# Altium PCB pcd.PcbDoc
Units mm, origin at the board's own origin, x right, y up, seen from the top; angles counter-clockwise.
Board outline 85 x 56 mm, 2 copper layers (Top Layer, Bottom Layer); 48 components, 50 nets, 288 pads, 210 vias.
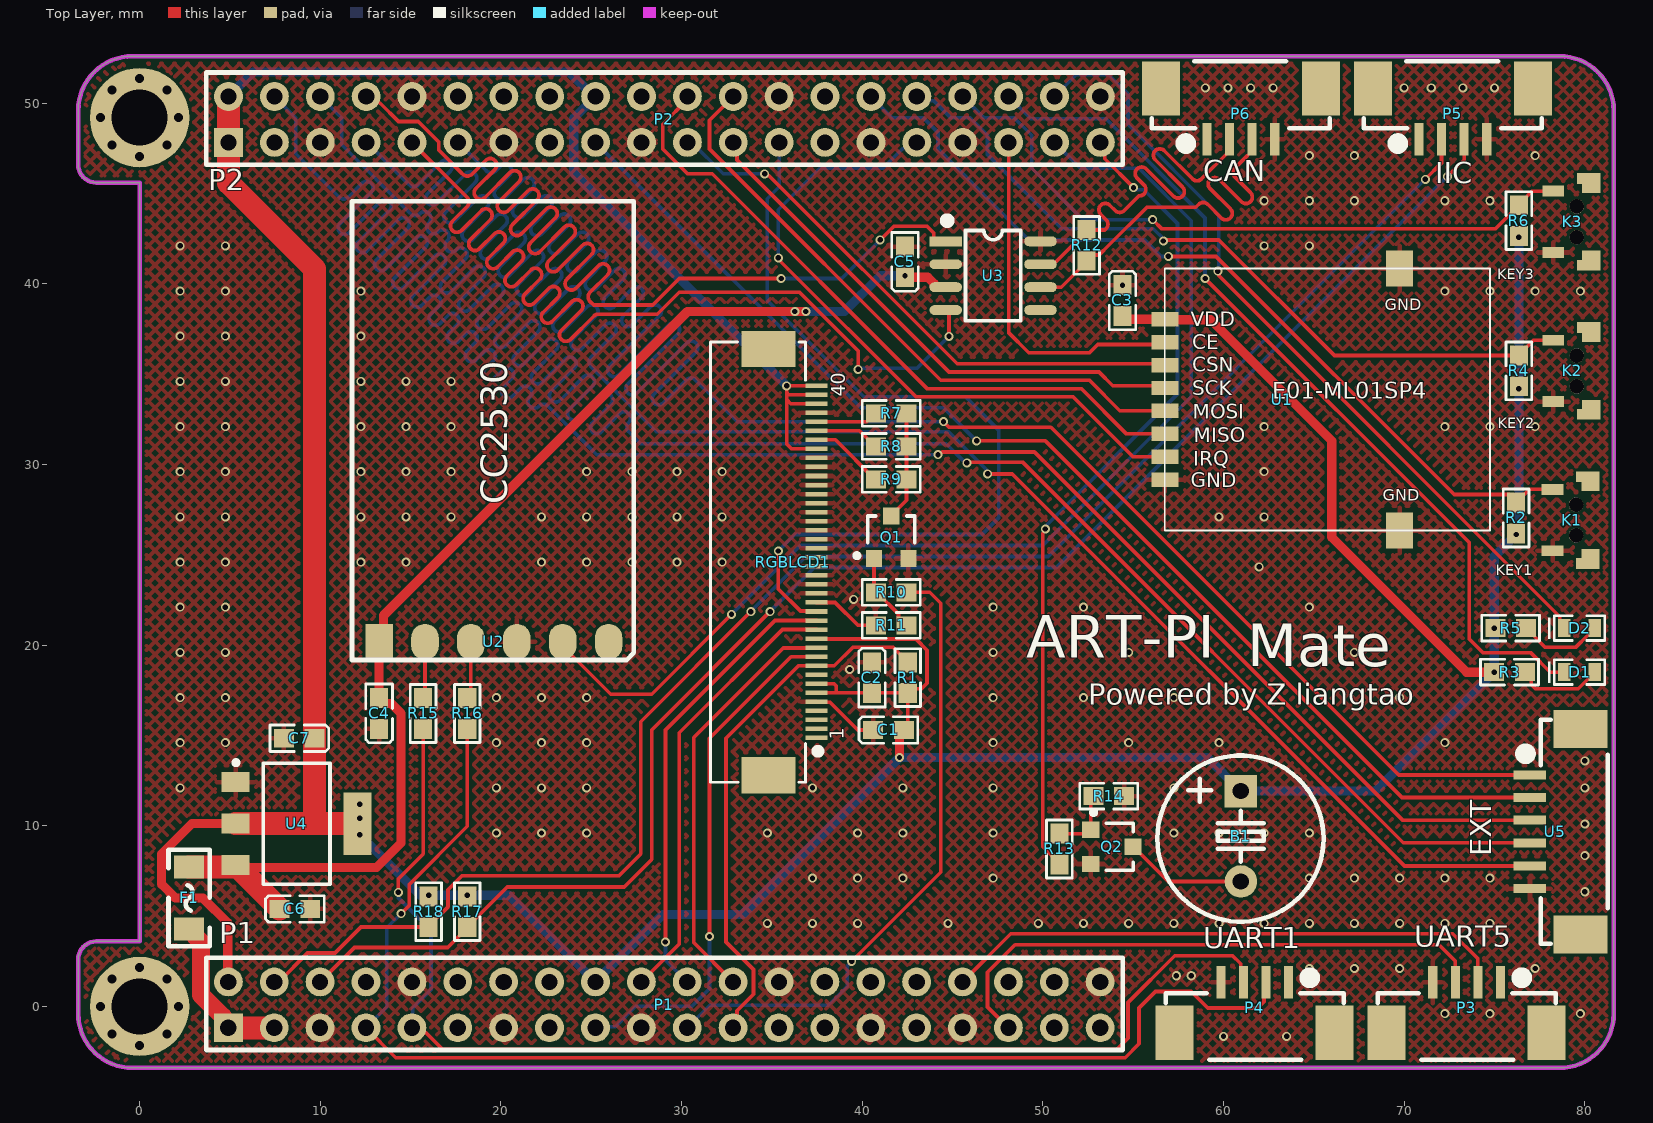
[diagram p0: Top Layer view]
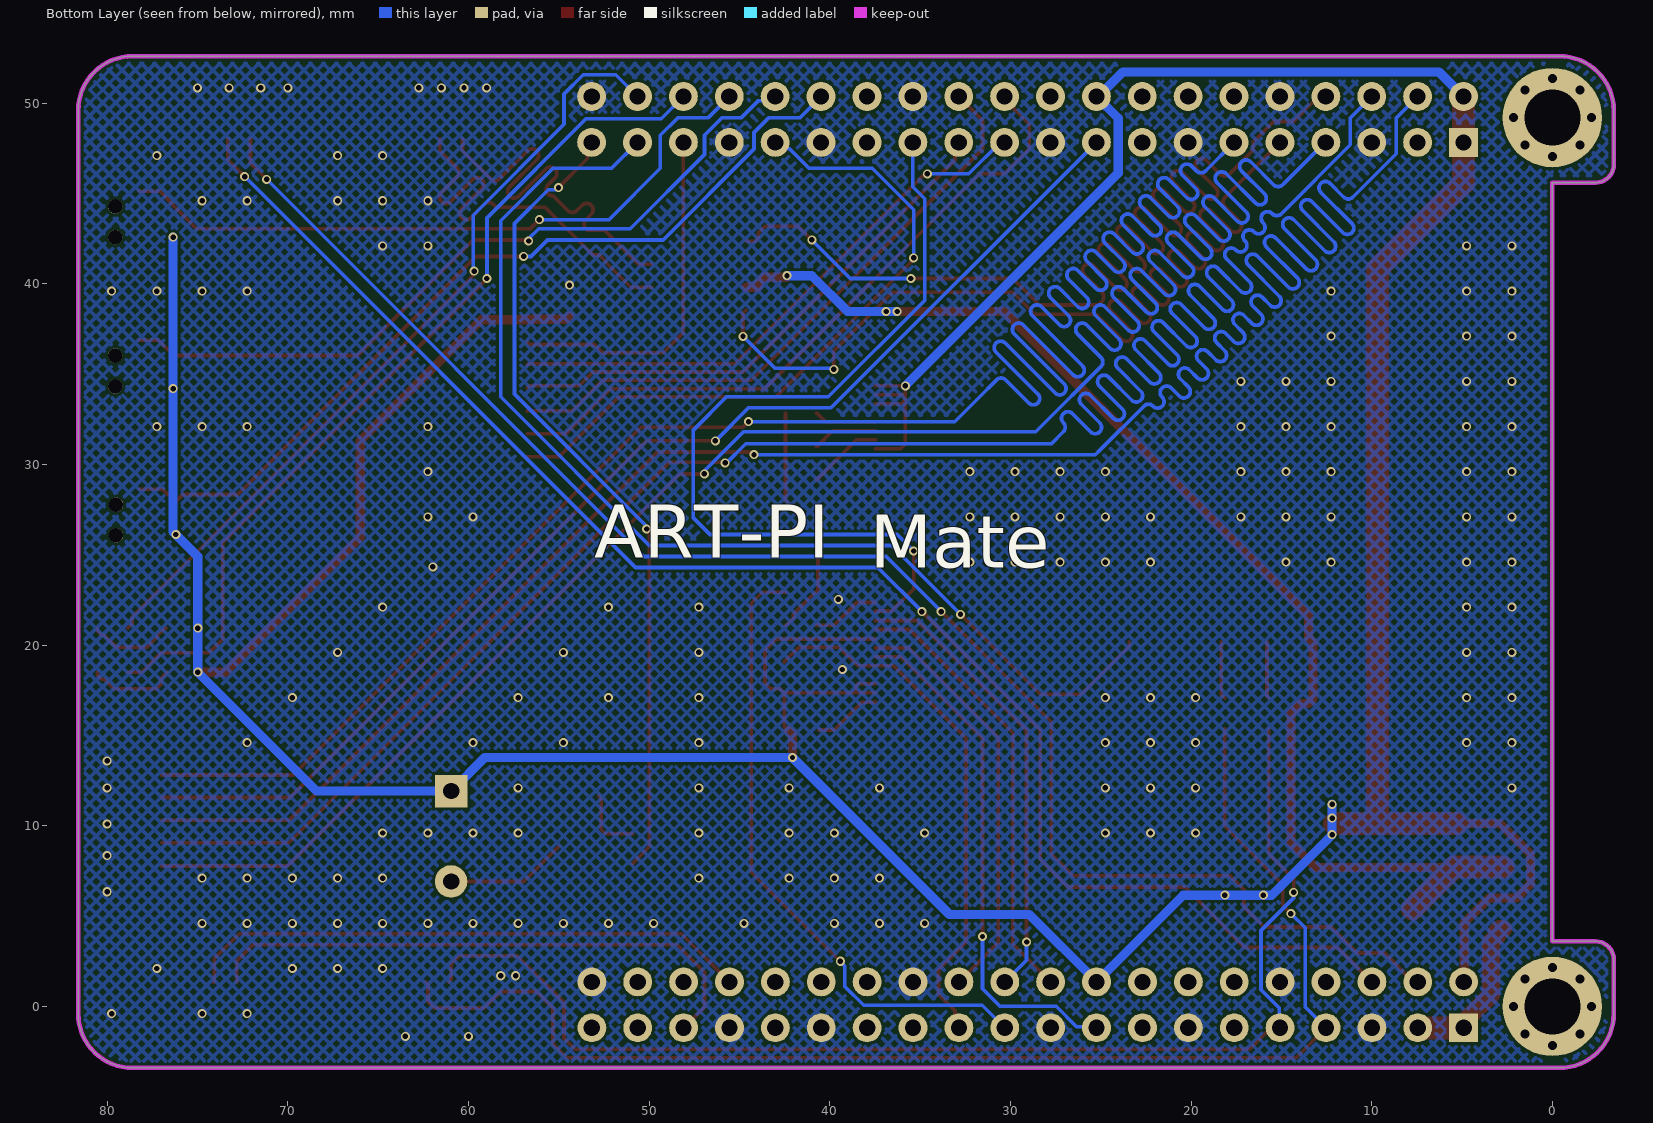
[diagram p1: Bottom Layer view, seen from below]
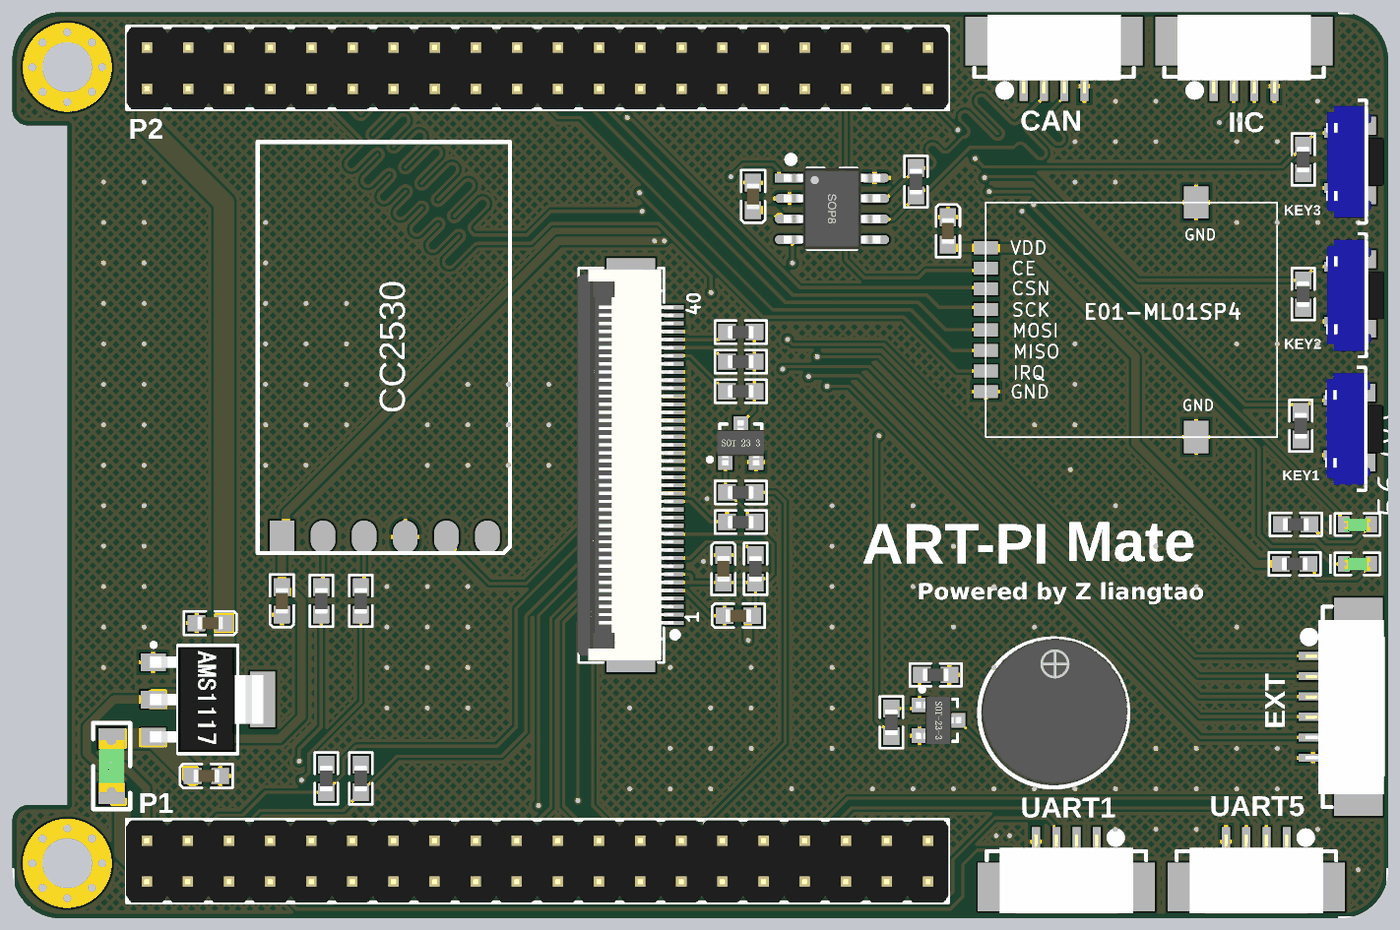
[diagram p2: 3D render of the assembled board from above, using the file's embedded part models]

## Layer stack, top to bottom
Top Solder: solder mask 0.0102, Solder Resist, Dk 3.5
Top Layer: signal copper 0.0356
Dielectric 1: dielectric 0.32, FR-4, Dk 4.8
Bottom Layer: signal copper 0.0356
Bottom Solder: solder mask 0.0102, Solder Resist, Dk 3.5

## Board outline
-3.4,-0.4 -3.4,2.6 cw(c-2.4,2.6) -2.4,3.6 0,3.6 0,45.6 -2.4,45.6 cw(c-2.4,46.6) -3.4,46.6 -3.4,49.6 cw(c-0.4,49.6) -0.4,52.6 78.6,52.6 cw(c78.6,49.6) 81.6,49.6 81.6,-0.4 cw(c78.6,-0.4) 78.6,-3.4 -0.4,-3.4 cw(c-0.4,-0.4)

## Design rules (kind name [scope] priority, off if disabled: settings)
Clearance [All] p1: gap=0.152 ignorepadtopadclearanceinfootprint=TRUE
PlaneConnect [All] p1: planeconnectstyle=Direct reliefexpansion=0.508 reliefentries=4 reliefconductorwidth=0.254 reliefairgap=0.254
PolygonConnect [All] p1: thpad.connectstyle=Direct thpad.reliefconductorwidth=0.254 thpad.reliefentries=4 thpad.polygonreliefangle="90 Angle" thpad.airgapwidth=0.254 smdpad.connectstyle=Relief smdpad.reliefconductorwidth=0.254 smdpad.reliefentries=4 smdpad.polygonreliefangle="90 Angle" smdpad.airgapwidth=0.254 via.connectstyle=Direct via.reliefconductorwidth=0.254 via.reliefentries=4 via.polygonreliefangle="90 Angle" via.airgapwidth=0.254
RoutingVias [All] p1: holewidth=0.5 width=0.5 viastyle="Through Hole" minholewidth=0.3 minwidth=0.3 maxholewidth=4 maxwidth=5
SolderMaskExpansion [All] p1: expansion=0.102 istentingtop=FALSE
Width [All] p1: maxlimit=5.08 minlimit=0.152 preferedwidth=0.203
29 further rules are at their usual default settings.

## Components (designator, comment, footprint, x,y, rotation, side; value= is the part's Value field where it differs from the comment)
B1 "BEEP" "BEEP 5x9x5.5" 60.958,11.922 r270 top
C1 "CAP" Cap-0603 41.451,15.304 r0 top
C2 "CAP" Cap-0603 40.536,18.199 r270 top
C3 "104" Cap-0603 54.405,39.078 r270 top
C4 "104" Cap-0603 13.257,16.218 r90 top
C5 "102" Cap-0603 42.365,41.212 r90 top
C6 "104" Cap-0603 8.597,5.398 r0 top
C7 "104" Cap-0603 8.837,14.846 r180 top
D1 "LED_SMD_BLUE" LED_0603_B 79.703,18.504 r180 top
D2 "LED_SMD_BLUE" LED_0603_B 79.703,20.942 r180 top
F1 "2A" "FU 1206" 2.741,6.007 r90 top
K1 "KEY" SW-SMD-2X4 79.51,27.774 r270 top
K2 "KEY" SW-SMD-2X4 79.551,36.03 r270 top
K3 "KEY" SW-SMD-2X4 79.551,44.283 r270 top
P1 "Header_2X20" "Header 2.54_2X20" 29.04,0.09 r0 top locked
P2 "Header_2X20" "Header 2.54_2X20" 29.05,49.1 r0 top locked
P3 "UART" SMT1.25_4P-90 73.455,-1.46 r180 top
P4 "UART" SMT1.25_4P-90 61.72,-1.46 r180 top
P5 "I2C" SMT1.25_4P-90 72.693,50.813 r0 top
P6 "UART" SMT1.25_4P-90 60.958,50.813 r0 top
Q1 "NPN" SOT23-3 41.603,25.972 r0 top
Q2 "NPN" SOT23-3 53.82,8.836 r270 top
R1 "10K" Res-0603 42.517,18.199 r90 top
R2 "RES" Res-0603 76.198,27.038 r90 top
R3 "RES" Res-0603 75.829,18.504 r0 top
R4 "RES" Res-0603 76.35,35.18 r90 top
R5 "RES" Res-0603 75.893,20.942 r0 top
R6 "RES" Res-0603 76.35,43.498 r90 top
R7 "10R" Res-0603 41.603,32.83 r180 top
R8 "10R" Res-0603 41.603,31.001 r180 top
R9 "10R" Res-0603 41.603,29.172 r180 top
R10 "1K" Res-0603 41.603,22.924 r180 top
R11 "10K" Res-0603 41.603,21.095 r0 top
R12 "120R" Res-0603 52.423,42.126 r90 top
R13 "1K" Res-0603 50.91,8.716 r270 top
R14 "10K" Res-0603 53.643,11.646 r180 top
R15 "0R" Res-0603 15.695,16.218 r270 top
R16 "0R" Res-0603 18.133,16.218 r270 top
R17 "4.7K" Res-0603 18.133,5.245 r90 top
R18 "4.7K" Res-0603 16,5.245 r90 top
RGBLCD1 "RGBLCD" FPC0.5-TOP40P 36.143,24.6 r90 top locked
U1 "NRF24L01" PE01-ML01SP4 63.244,33.592 r0 top
U2 "DL40P_CC2530" DL43P_CC2530 13.257,20.18 r0 top
U3 "TJA1050" SOP8_N 47.242,40.45 r0 top
U4 "AMS1117" AMS1117 8.685,10.122 r270 top
U5 "1.25-D-6PWB" SMT1.25_6P-90 81.438,16.488 r270 top
? "Comment" 铜柱-M3 0,0 r0 top
? "Comment" 铜柱-M3 0,49.2 r0 top

## Footprints (in the part's own frame and the unit in brackets; to place one, negate y for a bottom-side part, rotate by r counter-clockwise, add the part's x,y. Pads: shape width x height; smd on the part's side, far side on the other; paste and mask are expansions set on the pad)
AMS1117 [mm]
  rect 1.1x1.55 smd: 1(-2.3,-3.375) 2(0,-3.375) 3(2.3,-3.375)
  rect 3.45x1.55 smd: 4(0,3.375)
  silkscreen extent -3.5,-3.48 3.35,1.85, body extent -3.25,-3.58 3.25,3.42, height 1.85
"BEEP 5x9x5.5" [mm]
  rect 1.8x1.8 hole 0.9: 1(0,0)
  round 1.8 hole 0.9: 2(5,0)
  silkscreen extent -1.97,-4.62 7.22,4.58, body extent -1.96,-4.44 7.04,4.55, height 5.45
Cap-0603 [mm]
  rect 1.1x1 smd: 1(-0.85,0) 2(0.85,0)
  silkscreen extent -1.63,-0.74 1.63,0.74, body extent -0.8,-0.4 0.8,0.4, height 0.6
DL43P_CC2530 [mm] "深联创新"
  rect 1.524x2 smd: 1(0,0)
  oval 1.524x2 smd: 2(2.54,0) 3(5.08,0) 4(7.62,0) 5(10.16,0) 6(12.7,0)
  silkscreen extent -1.5,-1 14.1,24.4
FPC0.5-TOP40P [mm]
  rect 0.25x1.2 smd: 1(-9.737,-1.326) 2(-9.237,-1.326) 3(-8.737,-1.326) 4(-8.237,-1.326) 5(-7.737,-1.326) 6(-7.237,-1.326) 7(-6.737,-1.326) 8(-6.237,-1.326) 9(-5.737,-1.326) 10(-5.237,-1.326) 11(-4.737,-1.326) 12(-4.237,-1.326) 13(-3.737,-1.326) 14(-3.237,-1.326) 15(-2.737,-1.326) 16(-2.237,-1.326) 17(-1.737,-1.326) 18(-1.237,-1.326) 19(-0.737,-1.326) 20(-0.237,-1.326) 21(0.263,-1.326) 22(0.763,-1.326) 23(1.263,-1.326) 24(1.763,-1.326) 25(2.263,-1.326) 26(2.763,-1.326) 27(3.263,-1.326) 28(3.763,-1.326) 29(4.263,-1.326) 30(4.763,-1.326) 31(5.263,-1.326) 32(5.763,-1.326) 33(6.263,-1.326) 34(6.763,-1.326) 35(7.263,-1.326) 36(7.763,-1.326) 37(8.263,-1.326) 38(8.763,-1.326) 39(9.263,-1.326) 40(9.763,-1.326)
  rect 2x3 smd: A(-11.8,1.326) B(11.8,1.326)
  silkscreen extent -12.19,-1.58 12.19,4.54, body extent -12.08,-1.35 12.12,4.65, height 2
"FU 1206" [mil]
  rect 50x65 smd: 1(-67.5,0) 2(67.5,0)
  silkscreen extent -105,-45 105,45, body extent -63,-32 63,32, height 34
"Header 2.54_2X20" [mm]
  rect 1.6x1.6 hole 0.9: 1(-24.13,-1.27)
  round 1.6 hole 0.9: 2(-21.59,-1.27) 3(-19.05,-1.27) 4(-16.51,-1.27) 5(-13.97,-1.27) 6(-11.43,-1.27) 7(-8.89,-1.27) 8(-6.35,-1.27) 9(-3.81,-1.27) 10(-1.27,-1.27) 11(1.27,-1.27) 12(3.81,-1.27) 13(6.35,-1.27) 14(8.89,-1.27) 15(11.43,-1.27) 16(13.97,-1.27) 17(16.51,-1.27) 18(19.05,-1.27) 19(21.59,-1.27) 20(24.13,-1.27) 21(24.13,1.27) 22(21.59,1.27) 23(19.05,1.27) 24(16.51,1.27) 25(13.97,1.27) 26(11.43,1.27) 27(8.89,1.27) 28(6.35,1.27) 29(3.81,1.27) 30(1.27,1.27) 31(-1.27,1.27) 32(-3.81,1.27) 33(-6.35,1.27) 34(-8.89,1.27) 35(-11.43,1.27) 36(-13.97,1.27) 37(-16.51,1.27) 38(-19.05,1.27) 39(-21.59,1.27) 40(-24.13,1.27)
  silkscreen extent -25.36,-2.5 25.37,2.6, body extent -25.4,-2.5 25.4,2.58, height 8.6
LED_0603_B [mm]
  rect 0.7x1 smd: 1(-0.85,0) 2(0.85,0)
  silkscreen extent -1.4,-0.69 1.75,0.69, body extent -0.8,-0.38 0.8,0.42, height 0.61
PE01-ML01SP4 [mm] "18mm*14.5mm*2.4mm-S"
  rect 1.5x0.8 smd: 1(-6.497,4.453) 2(-6.497,3.183) 3(-6.497,1.913) 4(-6.497,0.643) 5(-6.497,-0.627) 6(-6.497,-1.897) 7(-6.497,-3.167) 8(-6.497,-4.437)
  rect 1.5x2 smd: 9(6.497,-7.25) 10(6.497,7.25)
  silkscreen extent -6.5,-7.25 11.5,7.25
Res-0603 [mm]
  rect 1.1x1 smd: 1(-0.85,0) 2(0.85,0)
  silkscreen extent -1.6,-0.71 1.6,0.71, body extent -0.8,-0.4 0.8,0.4, height 0.38
SMT1.25_4P-90 [mm]
  rect 2.1x3 smd: 0(-4.425,0) 0(4.425,0)
  rect 0.5x1.8 smd: 1(-1.875,-2.8) 2(-0.625,-2.8) 3(0.625,-2.8) 4(1.875,-2.8)
  silkscreen extent -4.92,-3.3 4.92,1.5, body extent -4.12,-3.22 4.13,1.63, height 4.25
SMT1.25_6P-90 [mm]
  rect 2.1x3 smd: 0(1.123,-1.678) 0(12.513,-1.678)
  rect 0.5x1.8 smd: 1(3.673,-4.478) 2(4.923,-4.478) 3(6.173,-4.478) 4(7.433,-4.478) 5(8.713,-4.478) 6(9.963,-4.478)
  silkscreen extent 0.62,-4.98 13.01,-0.18, body extent 1.46,-4.95 12.21,-0.1, height 4.25
SOP8_N [mm]
  rect 1.8x0.55 smd: 1(-2.625,1.905)
  oval 1.8x0.55 smd: 2(-2.625,0.635) 3(-2.625,-0.635) 4(-2.625,-1.905) 5(2.625,-1.905) 6(2.625,-0.635) 7(2.625,0.635) 8(2.625,1.905)
  silkscreen extent -2.69,-2.5 1.52,3.2, body extent -3,-2.5 3,2.5, height 1.9
SOT23-3 [mm]
  rect 0.9x0.95 smd: 1(-0.95,-1.175) 2(0.95,-1.175) 3(0,1.175)
  silkscreen extent -2.03,-1.14 1.3,1.18, body extent -1.45,-1.4 1.45,1.4, height 1.2
SW-SMD-2X4 [mm]
  rect 0.6x1.3 smd: 0(-1.55,0.65) 0(3.25,0.65)
  rect 0.6x1 smd: 0(-1.05,0.8) 0(2.75,0.8)
  round 0.8 hole 0.8: 0(0,0) 0(1.7,0)
  rect 0.6x1.2 smd: 1(-0.85,-1.3) 3(2.55,-1.3)
  body extent -2.97,-1.8 4.83,1.8, height 3.5
铜柱-M3 [mm] "TZ-M3"
  round 5.5 hole 3.1: 0(0,0)
  round 0.8 hole 0.5: 1(0,2.159) 2(0,-2.159) 3(2.159,0) 4(-2.159,0) 5(-1.524,-1.524) 6(1.524,-1.524) 7(1.524,1.524) 8(-1.524,1.524)
  body extent -2.67,-2.67 2.67,2.67, height 4.5

## Part data
B1: "蜂鸣器"
C1 C2: "贴片陶瓷电容"
C3 C4 C5 C6 C7: library part CAP, "贴片陶瓷电容"
D1 D2: "发光二极管", Package=0603, SuppliersPartNumber=C72041, ComponentLink1Description=供应商链接, ComponentLink1URL=http://www.szlcsc.com/product/details_73150.html, Supplier=LC
F1: library part FU, "贴片保险丝", BOM名称=贴片保险丝, 学习资源=www.ooocke.com, 版权归属=源创客
P3 P4 P5 P6: library part "UART port", LatestRevisionDate=17-Jul-2002, LatestRevisionNote="Re-released for DXP Platform.", Publisher="Altium Limited"
Q1 Q2: library part NPN1, "贴片三极管", PackageDocument=Sep-1998, Code_JEDEC=TO-92A, ComponentLink1Description="Manufacturer Link", ComponentLink1URL=http://www.fairchildsemi.com/, ComponentLink2Description=Datasheet, ComponentLink2URL=http://www.fairchildsemi.com/ds/2N%2F2N3904.pdf, DatasheetDocument=1997, LatestRevisionDate=15-Jan-2003, LatestRevisionNote="PCB Footprint 'BCY-W3/D4.7' replaced", PackageReference=TO-92A, Published=8-Jun-2000, Publisher="Altium Limited"
R1 R7 R8 R9 R10 R11 R12 R13 R14 R15 R16 R17 R18: library part RES, "贴片电阻"
R2 R3 R4 R5 R6: "贴片电阻"
RGBLCD1: library part FPC-40, "FPC-40P-0.5mm"
U3: library part SN65HVD230D
U5: BOM_Manufacturer=JUSHUO, BOM_Manufacturer Part=1.25-D-6PWB, BOM_Supplier=LCSC, BOM_Supplier Part=C35040, Contributor=LCSC, spicePre=U, spiceSymbolName=1.25-D-6PWB

## Via types
v1: diameter 0.5, hole 0.3, Top Layer to Bottom Layer, tented both sides, 195 vias
v2: diameter 0.5, hole 0.3, Top Layer to Bottom Layer, 15 vias

## Nets (pads, with @x,y where several pads share a name; then routed paths per layer and width w, separated by ;. In a path a pad name is that pad's centre, name@x,y a point inside that pad or via, vN(x,y) a via of type N, cw(c..) or ccw(c..) an arc to the next point about the centre after c; other vN are vias at no path point)
3V3: B1.1 C1.2 C2.2 C3.2 C7.1 P1.32 P1.40 P2.1 P2.32 P2.40 R1.1 R2.1 R3.1 R4.1 R5.1 R6.1 R17.2 R18.2 RGBLCD1.6 RGBLCD1.7 RGBLCD1.12 RGBLCD1.33 RGBLCD1.38 RGBLCD1.39 RGBLCD1.40 U1.1 U4.2 U4.4 | length 269
  Top Layer w0.203: RGBLCD1.6 38.555,17.363 ; RGBLCD1.7 38.436,17.863 38.555,17.744 38.555,17.363 ; RGBLCD1.12 37.493,20.339 42.968,20.339 43.584,19.723 43.584,17.894 43.279,17.59 42.758,17.59 R1.1 42.517,15.52 C1.2 ; RGBLCD1.33 36.102,30.863 35.812,31.153 35.812,33.592 ; RGBLCD1.38 36.041,33.363 35.812,33.592 ; RGBLCD1.39 35.931,33.863 35.812,33.982 ; RGBLCD1.40 37.465,34.358 35.816,34.358 v1(35.812,34.354) 35.812,33.982 ; R1.1@42.504,17.363 38.555,17.363 ; 35.812,33.592 35.812,33.982
  Top Layer w0.508: P1.40 4.875,1.395 4.875,4.636 3.503,6.007 1.979,6.007 1.217,6.769 1.217,8.446 2.893,10.122 U4.2 ; v1(42.06,13.78) 42.06,15.063 C1.2 ; C3.2 54.588,38.045 U1.1 56.78,38.011 59.281,38.011 65.988,31.305 65.988,25.971 73.455,18.504 v1(74.979,18.504)
  Top Layer w1.27: P2.40 P2.1 4.92,45.586 9.687,40.819 C7.1 9.687,10.186 9.751,10.122 ; U4.2 9.751,10.122 ; U4.4 9.751,10.122
  Bottom Layer w0.508: P2.40 6.277,51.727 23.772,51.727 25.129,50.37 P2.32 24.034,49.164 24.034,46.132 v1(35.812,34.354) ; v1(12.19,11.189) v1(12.19,9.512) 15.543,6.16 v1(18.133,6.16) 20.43,6.16 P1.32 28.963,5.093 33.373,5.093 v1(42.06,13.78) 59.1,13.78 B1.1 68.396,11.922 v1(74.979,18.504) v1(74.979,20.942) 74.979,24.905 v1(76.198,26.124) 76.35,26.276 v1(76.35,34.201) v1(76.35,42.583)
  other v1: 16,6.16 12.19,10.427
5V: C4.2 C5.1 C6.1 F1.2 U2.1 U3.3 U4.3 | length 69.2
  Top Layer w0.508: U4.3 5.41,7.722 5.905,7.226 ; U4.3@5.912,7.684 13.104,7.684 14.476,9.055 14.476,16.218 13.922,16.772 13.503,16.772 13.257,17.018 C4.2 U2.1 13.502,20.426 13.502,21.645 30.325,38.468 v1(36.269,38.468) v1@36.814,38.468 ; C5.1 43.627,40.362 43.984,40.005 43.984,39.834 44.003,39.815 U3.3
  Top Layer w1.27: F1.2 5.41,7.722 5.423,7.722 C6.1
  Bottom Layer w0.508: v1(36.269,38.468) v1(36.879,38.468) 39.012,38.468 40.993,40.45 v1(42.365,40.45)
5V_VIN: F1.1 P1.1 P1.2 | length 9.2
  Top Layer w1: F1.1 2.932,4.293 3.066,4.158 3.066,3.908 3.402,3.572 3.402,0.638 4.61,-0.57 4.61,-0.88 P1.1
  Top Layer w1.27: P1.1 P1.2
  Bottom Layer w1.27: P1.2@7.3,-1.19 7.31,-1.18 P1.2
BEEP: P2.20 R13.2 | length 45.5
  Top Layer w0.203: v1(50.137,26.429) 50.137,26.348 49.985,26.196 49.985,8.841 50.91,7.916 R13.2 ; P2.20 53.423,47.587 53.423,46.917 v1(55.014,45.326)
  Bottom Layer w0.203: v1(50.137,26.429) 50.137,26.581 57.453,33.896 57.453,43.345 55.584,45.213 55.207,45.213 55.095,45.326 v1(55.014,45.326)
CAN_RX: P2.5 U3.4 | length 62.7
  Top Layer w0.203: P2.5 17.554,45.356 18.128,44.782 cw(c17.877,44.53) 18.128,44.279 17.308,43.458 ccw(c17.56,43.207) 17.308,42.955 ccw(c17.56,43.207) 17.811,42.955 18.905,44.049 cw(c19.156,43.798) 19.407,44.049 cw(c19.156,43.798) 19.407,43.546 18.314,42.452 ccw(c18.565,42.201) 18.314,41.95 ccw(c18.565,42.201) 18.817,41.95 19.637,42.77 cw(c19.889,42.519) 20.14,42.77 cw(c19.889,42.519) 20.14,42.267 19.32,41.447 ccw(c19.571,41.195) 19.32,40.944 ccw(c19.571,41.195) 19.823,40.944 20.643,41.764 cw(c20.894,41.513) 21.146,41.764 cw(c20.894,41.513) 21.146,41.261 20.325,40.441 ccw(c20.577,40.189) 20.325,39.938 ccw(c20.577,40.189) 20.828,39.938 21.649,40.758 cw(c21.9,40.507) 22.152,40.758 cw(c21.9,40.507) 22.152,40.255 21.331,39.435 ccw(c21.583,39.184) 21.331,38.932 ccw(c21.583,39.184) 21.834,38.932 22.654,39.753 cw(c22.906,39.501) 23.157,39.753 cw(c22.906,39.501) 23.157,39.25 22.337,38.429 ccw(c22.588,38.178) 22.337,37.926 ccw(c22.588,38.178) 22.84,37.926 23.934,39.02 cw(c24.185,38.769) 24.436,39.02 cw(c24.185,38.769) 24.436,38.517 23.343,37.424 ccw(c23.594,37.172) 23.343,36.921 ccw(c23.594,37.172) 23.846,36.921 25.137,38.212 cw(c25.388,37.96) 25.388,38.316 27.887,38.316 28.649,38.316 29.868,39.535 36.525,39.535 39.774,36.286 v1(39.774,35.268) ; U3.4 44.643,38.545 44.803,38.384 v1(44.803,37.097)
  Bottom Layer w0.203: v1(39.774,35.268) 39.831,35.325 43.031,35.325 v1(44.803,37.097)
CAN_TX: P2.37 U3.1 | length 69.4
  Top Layer w0.203: P2.37 12.918,50.37 13.297,49.991 13.317,49.991 14.323,48.984 15.417,48.984 16.566,47.835 16.566,47.393 17.82,46.139 17.892,46.068 ccw(c18.143,46.319) 18.395,46.068 19.162,46.835 cw(c19.413,46.583) 19.665,46.835 cw(c19.413,46.583) 19.665,46.332 18.624,45.291 ccw(c18.876,45.04) 18.624,44.789 ccw(c18.876,45.04) 19.127,44.788 20.497,46.159 cw(c20.749,45.907) 21,46.159 cw(c20.749,45.907) 21,45.656 19.903,44.559 ccw(c20.155,44.307) 19.903,44.056 ccw(c20.155,44.307) 20.406,44.056 21.503,45.153 cw(c21.755,44.901) 22.006,45.153 cw(c21.755,44.901) 22.006,44.65 20.636,43.28 ccw(c20.887,43.028) 20.636,42.777 ccw(c20.887,43.028) 21.139,42.777 22.509,44.147 cw(c22.76,43.896) 23.012,44.147 cw(c22.76,43.896) 23.012,43.644 21.642,42.274 ccw(c21.893,42.023) 21.642,41.771 ccw(c21.893,42.023) 22.145,41.771 23.515,43.141 cw(c23.766,42.89) 24.018,43.141 cw(c23.766,42.89) 24.018,42.638 22.648,41.268 ccw(c22.899,41.017) 22.648,40.765 ccw(c22.899,41.017) 23.15,40.765 24.52,42.135 cw(c24.772,41.884) 25.023,42.135 cw(c24.772,41.884) 25.023,41.633 23.653,40.262 ccw(c23.905,40.011) 23.653,39.76 ccw(c23.905,40.011) 24.156,39.76 25.402,41.005 cw(c25.653,40.754) 25.905,41.005 cw(c25.653,40.754) 25.905,40.502 24.932,39.53 ccw(c25.184,39.278) 24.932,39.027 25.133,38.827 28.398,38.827 29.868,40.297 v1(35.507,40.297) ; v1(40.993,42.431) 41.755,43.193 43.584,43.193 43.962,42.815 43.962,42.528 44.135,42.355 U3.1
  Bottom Layer w0.203: v1(35.507,40.297) 38.86,40.297 v1(40.993,42.431)
DL40P_SET: P2.19 U2.5 | length 62.1
  Top Layer w0.203: U2.5 23.417,19.942 26.074,17.285 28.344,17.285 v1(32.764,21.704)
  Bottom Layer w0.203: v1(32.764,21.704) 36.574,25.514 49.985,25.514 58.215,33.744 58.215,43.498 55.319,46.393 52.077,46.393 P2.19
GND: C1.1 C2.1 C3.1 C4.1 C5.2 C6.2 C7.2 K1.3 K2.3 K3.3 P1.3 P1.7 P1.10 P1.15 P1.17 P1.21 P1.28 P1.36 P2.3 P2.7 P2.10 P2.15 P2.17 P2.21 P2.28 P2.36 P3.4 P4.4 P5.4 P6.4 Q1.2 Q2.2 R11.1 R14.1 RGBLCD1.5 RGBLCD1.16 RGBLCD1.17 RGBLCD1.18 RGBLCD1.19 RGBLCD1.20 RGBLCD1.21 RGBLCD1.22 RGBLCD1.23 RGBLCD1.24 RGBLCD1.25 RGBLCD1.26 RGBLCD1.27 RGBLCD1.28 RGBLCD1.29 RGBLCD1.30 RGBLCD1.31 RGBLCD1.32 RGBLCD1.37 U1.8 U1.9 U1.10 U2.4 U3.2 U3.8 U4.1 U5.6 | length 7.6
  Top Layer w0.203: RGBLCD1.5 37.493,16.839 38.21,16.839 39.746,15.304 C1.1 ; RGBLCD1.16 38.49,22.363 39.758,21.095 R11.1
  other v1: 72.245,-0.4 74.745,-0.4 79.745,-0.4 57.39,1.7 58.21,1.7 64.745,2.1 67.245,2.1 69.745,2.1 77.245,2.1 34.745,4.6 37.245,4.6 39.745,4.6 44.745,4.6 49.745,4.6 52.245,4.6 54.745,4.6 57.245,4.6 59.745,4.6 62.245,4.6 64.745,4.6 67.245,4.6 69.745,4.6 72.245,4.6 74.745,4.6 37.245,7.1 39.745,7.1 42.245,7.1 47.245,7.1 64.745,7.1 67.245,7.1 69.745,7.1 72.245,7.1 74.745,7.1 19.745,9.6 22.245,9.6 24.745,9.6 34.745,9.6 39.745,9.6 42.245,9.6 47.245,9.6 57.245,9.6 59.745,9.6 62.245,9.6 64.745,9.6 2.245,12.1 19.745,12.1 22.245,12.1 24.745,12.1 37.245,12.1 42.245,12.1 47.245,12.1 57.245,12.1 2.245,14.6 4.745,14.6 19.745,14.6 22.245,14.6 24.745,14.6 47.245,14.6 54.745,14.6 59.745,14.6 72.245,14.6 2.245,17.1 4.745,17.1 19.745,17.1 22.245,17.1 24.745,17.1 47.245,17.1 52.245,17.1 57.245,17.1 69.745,17.1 39.3,18.65 2.245,19.6 4.745,19.6 47.245,19.6 54.745,19.6 67.245,19.6 2.245,22.1 4.745,22.1 47.245,22.1 52.245,22.1 64.745,22.1 39.52,22.53 61.97,24.33 2.245,24.6 4.745,24.6 12.245,24.6 14.745,24.6 22.245,24.6 24.745,24.6 27.245,24.6 29.745,24.6 32.245,24.6 2.245,27.1 4.745,27.1 12.245,27.1 14.745,27.1 17.245,27.1 22.245,27.1 24.745,27.1 27.245,27.1 29.745,27.1 32.245,27.1 59.745,27.1 62.245,27.1 2.245,29.6 4.745,29.6 12.245,29.6 14.745,29.6 17.245,29.6 24.745,29.6 27.245,29.6 29.745,29.6 32.245,29.6 62.245,29.6 2.245,32.1 4.745,32.1 12.245,32.1 14.745,32.1 17.245,32.1 62.245,32.1 72.245,32.1 74.745,32.1 77.245,32.1 2.245,34.6 4.745,34.6 12.245,34.6 14.745,34.6 17.245,34.6 2.245,37.1 4.745,37.1 12.245,37.1 2.245,39.6 4.745,39.6 12.245,39.6 72.245,39.6 74.745,39.6 77.245,39.6 79.745,39.6 54.405,39.928 2.245,42.1 4.745,42.1 62.245,42.1 64.745,42.1 62.245,44.6 64.745,44.6 67.245,44.6 72.245,44.6 74.745,44.6 64.745,47.1 67.245,47.1 77.245,47.1
  other v2: 59.995,-1.65 63.495,-1.65 79.995,6.35 79.995,8.35 79.995,10.1 79.995,12.1 79.995,13.6 58.995,50.85 60.245,50.85 61.495,50.85 62.745,50.85 69.995,50.85 71.495,50.85 73.245,50.85 74.995,50.85
I2C_SCL: P1.38 P5.3 R17.1 | length 87.5
  Top Layer w0.203: P1.38 11.894,3.264 17.052,3.264 18.133,4.345 R17.1 20.355,6.617 26.82,6.617 28.344,8.141 28.344,15.304 v1(34.897,21.857) ; v1(72.388,45.936) 73.318,46.866 P5.3
  Bottom Layer w0.203: v1(34.897,21.857) 37.336,24.295 50.747,24.295 v1(72.388,45.936)
I2C_SDA: P1.39 P5.2 R18.1 | length 89.6
  Top Layer w0.203: P1.39 7.695,1.36 9.294,2.959 10.818,2.959 12.254,4.395 R18.1 16,4.445 17.067,5.512 17.067,6.464 17.829,7.226 26.515,7.226 27.735,8.446 27.735,15.761 v1(33.831,21.857) ; v1(71.169,45.784) 72.068,46.683 P5.2
  Bottom Layer w0.203: v1(33.831,21.857) 36.879,24.905 50.29,24.905 v1(71.169,45.784)
KEY1: K1.1 P2.26 R2.2 | length 47.9
  Top Layer w0.203: v1(56.949,41.516) 59.586,41.516 72.766,28.337 75.799,28.337 R2.2@76.198,27.938 ; R2.2 R2.2@76.198,27.938 ; K1.1 76.934,28.624 76.646,28.337 76.596,28.337 R2.2@76.198,27.938
  Bottom Layer w0.203: P2.26 41.665,49.185 43.384,49.185 44.194,48.374 44.194,47.46 49.223,42.431 55.624,42.431 56.538,41.516 v1(56.949,41.516)
KEY2: K2.1 P2.25 R4.2 | length 42.3
  Top Layer w0.203: v1(56.668,42.372) 56.727,42.431 59.739,42.431 66.139,36.03 R4.2 76.35,36.08 77.15,36.88 K2.1
  Bottom Layer w0.203: P2.25 43.247,50.143 43.949,50.143 44.908,49.185 45.974,49.185 46.937,48.222 46.937,47.155 51.046,43.046 56.111,43.046 56.668,42.489 v1(56.668,42.372)
KEY3: K3.1 P2.24 R6.2 | length 37.7
  Top Layer w0.203: v1(56.077,43.55) 56.587,43.04 75.043,43.04 R6.2 76.35,44.398 77.086,45.133 K3.1
  Bottom Layer w0.203: P2.24 46.745,49.185 48.413,49.185 49.375,48.222 49.375,46.393 52.218,43.55 v1(56.077,43.55)
LCD_BL: P1.11 R10.1 | length 35.3
  Top Layer w0.203: v1(39.416,2.502) 44.346,7.432 44.346,22.314 43.737,22.924 R10.1
  Bottom Layer w0.203: P1.11 31.554,0.064 38.124,0.064 39.165,1.104 39.165,2.235 39.416,2.486 v1(39.416,2.502)
LCD_DC: P1.9 RGBLCD1.10 | length 28.9
  Top Layer w0.203: v1(31.545,3.874) 31.545,14.846 36.061,19.363 RGBLCD1.10
  Bottom Layer w0.203: P1.9 25.285,-1.125 26.335,-1.125 27.465,0.005 30.572,0.005 31.545,0.978 v1(31.545,3.874)
LED1: D1.2 P2.23 | length 49
  Top Layer w0.203: v1(58.977,40.297) 73.607,25.667 73.607,20.333 74.369,19.571 77.021,19.571 78.088,18.504 D1.2
  Bottom Layer w0.203: P2.23 49.334,49.136 53.49,49.136 58.977,43.65 v1(58.977,40.297)
LED2: D2.2 P2.22 | length 44.6
  Top Layer w0.203: v1(59.687,40.703) 59.744,40.646 59.744,40.444 78.612,21.576 78.612,21.184 D2.2
  Bottom Layer w0.203: P2.22 51.845,51.575 53.643,51.575 54.709,50.508 54.709,48.832 59.739,43.802 59.739,40.754 v1(59.687,40.703)
NetB1_2: B1.2 Q2.3 | length 6.8
  Top Layer w0.203: Q2.3 55.02,8.836 56.935,6.922 B1.2
NetD1_1: D1.1 R3.2 | length 4.9
  Top Layer w0.203: R3.2 77.036,18.147 77.036,17.818 77.265,17.59 79.639,17.59 80.155,18.106 80.305,18.106 80.553,18.354 D1.1
NetD2_1: D2.1 R5.2 | length 4.8
  Top Layer w0.203: R5.2 76.793,20.942 77.191,20.544 77.191,20.494 77.81,19.876 79.486,19.876 80.155,20.544 80.305,20.544 80.553,20.793 D2.1
NetP6_2: P6.2 R12.2 U3.7 | length 23.3
  Top Layer w0.203: U3.7 50.582,41.085 52.423,42.926 R12.2 53.426,42.976 53.498,43.048 ccw(c53.246,43.299) 53.498,43.551 53.201,43.847 cw(c53.452,44.099) 53.201,44.35 cw(c53.452,44.099) 53.704,44.35 54.001,44.054 ccw(c54.252,44.305) 54.503,44.054 55.319,44.869 55.344,44.869 ccw(c55.344,45.225) 55.595,45.476 55.213,45.859 cw(c55.464,46.11) 55.213,46.362 cw(c55.464,46.11) 55.715,46.362 57.225,44.852 ccw(c57.477,45.104) 57.728,44.852 ccw(c57.477,45.104) 57.728,45.355 56.218,46.865 cw(c56.47,47.116) 56.218,47.368 cw(c56.47,47.116) 56.721,47.368 58.278,45.811 ccw(c58.529,46.062) 58.781,45.811 60.287,47.317 60.333,47.363 P6.2
NetP6_3: P6.3 R12.1 U3.6 | length 22.8
  Top Layer w0.203: U3.6 51.012,39.815 52.423,41.226 R12.1 52.74,41.593 53.109,41.593 53.676,42.159 55.762,44.245 58.465,44.245 58.62,44.4 cw(c58.871,44.148) 59.123,44.4 59.875,43.647 ccw(c60.126,43.899) 60.378,43.647 ccw(c60.126,43.899) 60.378,44.15 59.252,45.276 cw(c59.503,45.527) 59.252,45.779 cw(c59.503,45.527) 59.755,45.779 60.987,44.547 ccw(c61.238,44.798) 61.49,44.547 ccw(c61.238,44.798) 61.49,45.05 60.631,45.908 cw(c60.883,46.16) 60.631,46.411 61.108,46.887 61.583,47.363 P6.3
NetQ1_1: Q1.1 R10.2 R11.2 | length 4.5
  Top Layer w0.203: Q1.1 40.653,23.024 R10.2 40.803,22.924 42.005,21.722 42.005,21.493 42.403,21.095 R11.2
NetQ1_3: Q1.3 R7.1 R8.1 R9.1 | length 6
  Top Layer w0.203: Q1.3 41.603,27.172 42.453,28.022 R9.1 R8.1 R7.1
NetQ2_1: Q2.1 R13.1 R14.2 | length 3.7
  Top Layer w0.203: R13.1 52.425,9.566 Q2.1 52.645,11.498 R14.2
NetR7_2: R7.2 RGBLCD1.36 | length 3.5
  Top Layer w0.203: RGBLCD1.36 40.236,32.363 40.703,32.83 R7.2
NetR8_2: R8.2 RGBLCD1.35 | length 3.6
  Top Layer w0.203: RGBLCD1.35 39.841,31.863 40.703,31.001 R8.2
NetR9_2: R9.2 RGBLCD1.34 | length 4.2
  Top Layer w0.203: RGBLCD1.34 38.512,31.363 40.703,29.172 R9.2
NetR15_1: R15.1 U2.2 | length 3.2
  Top Layer w0.203: R15.1 15.797,17.17 U2.2
NetR16_1: R16.1 U2.3 | length 3.2
  Top Layer w0.203: R16.1 18.337,17.271 U2.3
NRF24L01_CE: P2.18 U1.2 | length 19.9
  Top Layer w0.203: P2.18 48.1,37.305 49.223,36.182 52.576,36.182 53.033,36.64 56.612,36.64 U1.2
NRF_CS: P2.11 U1.3 | length 31.5
  Top Layer w0.203: v1(34.593,46.088) 34.673,46.088 34.786,45.976 34.858,45.976 45.261,35.573 56.679,35.573 U1.3
  Bottom Layer w0.203: P2.11 30.565,47.83 32.307,46.088 v1(34.593,46.088)
NRF_IRQ: P2.16 U1.7 | length 37.9
  Top Layer w0.203: v1(35.355,41.44) 35.355,41.364 42.975,33.744 51.661,33.744 54.981,30.425 U1.7
  Bottom Layer w0.203: v1(35.355,41.44) 35.355,44.107 37.641,46.393 41.146,46.393 42.223,47.471 42.283,47.471 42.642,47.83 P2.16
NRF_MISO: P2.30 U1.6 | length 37.8
  Top Layer w0.203: P2.30 30.32,50.198 28.954,48.832 28.954,47.46 30.325,46.088 31.697,46.088 43.584,34.201 52.119,34.201 54.625,31.695 U1.6
NRF_MOSI: P2.29 U1.5 | length 34.7
  Top Layer w0.203: P2.29 31.542,49.052 31.542,47.463 44.346,34.658 52.576,34.658 54.252,32.982 56.729,32.982 U1.5
NRF_SCK: P2.12 U1.4 | length 30
  Top Layer w0.203: P2.12 33.069,47.621 33.069,46.85 44.803,35.116 53.1,35.116 53.862,34.354 56.628,34.354 U1.4
PC1: P2.6 U5.1 | length 126.6
  Top Layer w0.203: v1(44.499,32.372) 44.803,32.068 50.442,32.068 69.695,12.815 U5.1
  Bottom Layer w0.203: P2.6 19.129,46.321 19.2,46.25 ccw(c19.452,46.501) 19.703,46.25 19.978,46.525 cw(c20.23,46.273) 20.481,46.525 cw(c20.23,46.273) 20.481,46.022 19.735,45.275 ccw(c19.986,45.024) 19.735,44.772 ccw(c19.986,45.024) 20.237,44.772 21.239,45.774 cw(c21.49,45.522) 21.742,45.774 cw(c21.49,45.522) 21.742,45.271 20.74,44.269 ccw(c20.992,44.018) 20.74,43.766 ccw(c20.992,44.018) 21.243,43.766 22.245,44.768 cw(c22.496,44.517) 22.748,44.768 cw(c22.496,44.517) 22.748,44.265 21.746,43.264 ccw(c21.998,43.012) 21.746,42.761 ccw(c21.998,43.012) 22.249,42.761 23.251,43.762 cw(c23.502,43.511) 23.753,43.762 cw(c23.502,43.511) 23.753,43.259 22.752,42.258 ccw(c23.003,42.006) 22.752,41.755 ccw(c23.003,42.006) 23.255,41.755 24.256,42.756 cw(c24.508,42.505) 24.759,42.756 cw(c24.508,42.505) 24.759,42.254 23.758,41.252 ccw(c24.009,41.001) 23.758,40.749 ccw(c24.009,41.001) 24.261,40.749 25.262,41.751 cw(c25.514,41.499) 25.765,41.751 cw(c25.514,41.499) 25.765,41.248 24.763,40.246 ccw(c25.015,39.995) 24.763,39.743 ccw(c25.015,39.995) 25.266,39.743 26.268,40.745 cw(c26.519,40.493) 26.771,40.745 cw(c26.519,40.493) 26.771,40.242 25.769,39.24 ccw(c26.021,38.989) 25.769,38.738 ccw(c26.021,38.989) 26.272,38.738 27.274,39.739 cw(c27.525,39.488) 27.777,39.739 cw(c27.525,39.488) 27.777,39.236 26.775,38.235 ccw(c27.027,37.983) 26.775,37.732 ccw(c27.027,37.983) 27.278,37.732 28.28,38.733 cw(c28.531,38.482) 28.782,38.733 cw(c28.531,38.482) 28.782,38.23 26.015,35.463 ccw(c26.266,35.211) 26.015,34.96 ccw(c26.266,35.211) 26.518,34.96 29.285,37.728 cw(c29.537,37.476) 29.788,37.728 cw(c29.537,37.476) 29.788,37.225 27.021,34.457 ccw(c27.272,34.206) 27.021,33.954 ccw(c27.272,34.206) 27.524,33.954 30.291,36.722 cw(c30.543,36.47) 30.794,36.722 cw(c30.543,36.47) 30.794,36.219 28.482,33.907 ccw(c28.733,33.655) 28.482,33.404 ccw(c28.733,33.655) 28.985,33.404 30.264,34.683 cw(c30.515,34.432) 30.767,34.683 31.778,33.672 33.078,32.372 v1(44.499,32.372)
PC4: P2.9 U5.2 | length 66.7
  Top Layer w0.203: v1(46.327,31.306) 50.137,31.306 69.878,11.565 U5.2
  Bottom Layer w0.203: P2.9 39.936,33.134 44.499,33.134 v1(46.327,31.306)
PG11: P2.39 U5.3 | length 126.7
  Top Layer w0.203: v1(44.194,30.544) 44.274,30.544 44.427,30.696 49.528,30.696 69.909,10.315 U5.3
  Bottom Layer w0.203: P2.39 8.645,49.185 8.645,47.194 10.971,44.869 11.042,44.797 ccw(c11.294,45.049) 11.545,44.797 12.311,45.563 cw(c12.562,45.311) 12.814,45.563 cw(c12.562,45.311) 12.814,45.06 11.094,43.34 ccw(c11.345,43.089) 11.094,42.837 ccw(c11.345,43.089) 11.597,42.837 13.317,44.557 cw(c13.568,44.306) 13.819,44.557 cw(c13.568,44.306) 13.819,44.054 12.1,42.334 ccw(c12.351,42.083) 12.1,41.831 ccw(c12.351,42.083) 12.603,41.831 14.322,43.551 cw(c14.574,43.3) 14.825,43.551 cw(c14.574,43.3) 14.825,43.048 13.106,41.329 ccw(c13.357,41.077) 13.106,40.826 ccw(c13.357,41.077) 13.608,40.826 15.328,42.545 cw(c15.58,42.294) 15.831,42.545 cw(c15.58,42.294) 15.831,42.043 14.111,40.323 ccw(c14.363,40.071) 14.111,39.82 ccw(c14.363,40.071) 14.614,39.82 16.334,41.54 cw(c16.585,41.288) 16.837,41.54 cw(c16.585,41.288) 16.837,41.037 15.117,39.317 ccw(c15.369,39.066) 15.117,38.814 ccw(c15.369,39.066) 15.62,38.814 16.071,39.266 cw(c16.323,39.014) 16.574,39.266 cw(c16.323,39.014) 16.574,38.763 16.123,38.311 ccw(c16.374,38.06) 16.123,37.808 ccw(c16.374,38.06) 16.626,37.808 ; 16.626,37.808 17.077,38.26 cw(c17.329,38.008) 17.58,38.26 cw(c17.329,38.008) 17.58,37.757 17.129,37.305 ccw(c17.38,37.054) 17.129,36.803 ccw(c17.38,37.054) 17.632,36.803 18.083,37.254 cw(c18.334,37.002) 18.586,37.254 cw(c18.334,37.002) 18.586,36.751 18.134,36.3 ccw(c18.386,36.048) 18.134,35.797 ccw(c18.386,36.048) 18.637,35.797 19.089,36.248 cw(c19.34,35.997) 19.592,36.248 cw(c19.34,35.997) 19.592,35.745 19.14,35.294 ccw(c19.392,35.042) 19.14,34.791 ccw(c19.392,35.042) 19.643,34.791 20.095,35.242 cw(c20.346,34.991) 20.597,35.242 cw(c20.346,34.991) 20.597,34.739 20.146,34.288 ccw(c20.397,34.037) 20.146,33.785 ccw(c20.397,34.037) 20.649,33.785 21.1,34.237 cw(c21.352,33.985) 21.603,34.237 cw(c21.352,33.985) 21.603,33.734 21.597,33.727 ccw(c21.848,33.476) 21.597,33.224 ccw(c21.848,33.476) 22.1,33.224 22.106,33.231 cw(c22.358,32.979) 22.609,33.231 25.041,30.799 25.296,30.544 v1(44.194,30.544)
PG13: P2.38 U5.4 | length 126.6
  Top Layer w0.203: v1(45.794,30.086) 45.841,30.133 48.871,30.133 69.949,9.055 U5.4
  Bottom Layer w0.203: P2.38 11.185,49.185 11.185,47.694 14.929,43.951 15.001,43.879 ccw(c15.252,44.13) 15.504,43.879 15.515,43.891 cw(c15.767,43.639) 16.018,43.891 cw(c15.767,43.639) 16.018,43.388 16.006,43.376 ccw(c16.258,43.124) 16.006,42.873 ccw(c16.258,43.124) 16.509,42.873 16.521,42.885 cw(c16.773,42.633) 17.024,42.885 cw(c16.773,42.633) 17.024,42.382 17.012,42.37 ccw(c17.264,42.119) 17.012,41.867 ccw(c17.264,42.119) 17.515,41.867 17.527,41.879 cw(c17.778,41.628) 18.03,41.879 cw(c17.778,41.628) 18.03,41.376 16.75,40.096 ccw(c17.001,39.844) 16.75,39.593 ccw(c17.001,39.844) 17.253,39.593 18.533,40.873 cw(c18.784,40.622) 19.036,40.873 cw(c18.784,40.622) 19.036,40.37 17.755,39.09 ccw(c18.007,38.839) 17.755,38.587 ccw(c18.007,38.839) 18.258,38.587 19.539,39.867 cw(c19.79,39.616) 20.041,39.867 cw(c19.79,39.616) 20.041,39.365 18.761,38.084 ccw(c19.013,37.833) 18.761,37.581 ccw(c19.013,37.833) 19.264,37.581 20.544,38.862 cw(c20.796,38.61) 21.047,38.862 cw(c20.796,38.61) 21.047,38.359 19.767,37.079 ccw(c20.018,36.827) 19.767,36.576 ccw(c20.018,36.827) 20.27,36.576 21.55,37.856 cw(c21.802,37.604) 22.053,37.856 cw(c21.802,37.604) 22.053,37.353 20.773,36.073 ccw(c21.024,35.821) 20.773,35.57 ccw(c21.024,35.821) 21.276,35.57 22.556,36.85 cw(c22.807,36.599) 23.059,36.85 cw(c22.807,36.599) 23.059,36.347 21.779,35.067 ccw(c22.03,34.816) 21.779,34.564 ccw(c22.03,34.816) 22.282,34.564 23.562,35.844 cw(c23.813,35.593) 24.065,35.844 cw(c23.813,35.593) 24.065,35.341 22.784,34.061 ccw(c23.036,33.81) 22.784,33.558 ccw(c23.036,33.81) 23.287,33.558 24.567,34.839 cw(c24.819,34.587) 25.07,34.839 cw(c24.819,34.587) 25.07,34.336 23.79,33.055 ccw(c24.042,32.804) 23.79,32.553 ccw(c24.042,32.804) 24.293,32.553 25.573,33.833 cw(c25.825,33.581) 26.076,33.833 cw(c25.825,33.581) 26.076,33.33 25.057,32.311 ccw(c25.309,32.06) 25.057,31.808 ccw(c25.309,32.06) 25.56,31.808 26.567,32.815 cw(c26.819,32.564) 27.07,32.815 cw(c26.819,32.564) 27.07,32.312 ccw(c27.322,32.061) 27.07,31.809 27.726,31.153 27.938,31.153 44.651,31.153 45.718,30.086 v1(45.794,30.086)
PG14: P2.4 U5.5 | length 126.7
  Top Layer w0.203: v1(46.937,29.477) 48.309,29.477 70.01,7.775 U5.5
  Bottom Layer w0.203: P2.4 12.582,47.83 14.857,45.555 14.929,45.483 ccw(c15.18,45.735) 15.432,45.483 16.702,46.754 cw(c16.954,46.503) 17.205,46.754 cw(c16.954,46.503) 17.205,46.251 15.934,44.98 ccw(c16.186,44.729) 15.934,44.477 ccw(c16.186,44.729) 16.437,44.477 18.056,46.096 cw(c18.307,45.844) 18.558,46.096 cw(c18.307,45.844) 18.558,45.593 16.94,43.974 ccw(c17.192,43.723) 16.94,43.472 ccw(c17.192,43.723) 17.443,43.472 18.736,44.765 cw(c18.988,44.513) 19.239,44.765 cw(c18.988,44.513) 19.239,44.262 17.946,42.969 ccw(c18.197,42.717) 17.946,42.466 ccw(c18.197,42.717) 18.449,42.466 19.742,43.759 cw(c19.994,43.507) 20.245,43.759 cw(c19.994,43.507) 20.245,43.256 18.952,41.963 ccw(c19.203,41.711) 18.952,41.46 ccw(c19.203,41.711) 19.455,41.46 20.748,42.753 cw(c20.999,42.502) 21.251,42.753 cw(c20.999,42.502) 21.251,42.25 19.958,40.957 ccw(c20.209,40.706) 19.958,40.454 ccw(c20.209,40.706) 20.46,40.454 21.754,41.747 cw(c22.005,41.496) 22.257,41.747 cw(c22.005,41.496) 22.257,41.244 20.963,39.951 ccw(c21.215,39.7) 20.963,39.448 ccw(c21.215,39.7) 21.466,39.448 22.759,40.742 cw(c23.011,40.49) 23.262,40.742 cw(c23.011,40.49) 23.262,40.239 21.969,38.946 ccw(c22.221,38.694) 21.969,38.443 ccw(c22.221,38.694) 22.472,38.443 23.765,39.736 cw(c24.017,39.484) 24.268,39.736 cw(c24.017,39.484) 24.268,39.233 22.975,37.94 ccw(c23.226,37.688) 22.975,37.437 ccw(c23.226,37.688) 23.478,37.437 24.771,38.73 cw(c25.022,38.479) 25.274,38.73 cw(c25.022,38.479) 25.274,38.227 23.981,36.934 ccw(c24.232,36.682) 23.981,36.431 ccw(c24.232,36.682) 24.484,36.431 25.777,37.724 cw(c26.028,37.473) 26.28,37.724 cw(c26.028,37.473) 26.28,37.221 24.987,35.928 ccw(c25.238,35.677) 24.987,35.425 28.268,32.144 28.598,31.814 44.78,31.814 46.937,29.656 v1(46.937,29.477)
RESET: P2.13 RGBLCD1.15 | length 47.3
  Top Layer w0.203: v1(35.355,25.21) 35.355,23.109 36.577,21.886 37.446,21.886 RGBLCD1.15
  Bottom Layer w0.203: v1(35.355,25.21) 36.269,26.124 46.632,26.124 47.547,27.038 47.547,31.915 45.718,33.744 40.079,33.744 34.745,39.078 34.745,44.717 35.4,45.372 P2.13
SPI_MISO: P1.30 RGBLCD1.14 | length 25.3
  Top Layer w0.203: v1(29.106,3.569) 29.106,15.304 35.165,21.363 RGBLCD1.14
  Bottom Layer w0.203: v1(29.106,3.569) 29.106,2.564 P1.30
SPI_MOSI: P1.31 RGBLCD1.13 | length 24.6
  Top Layer w0.203: P1.31 29.868,3.458 29.868,15.151 35.58,20.863 RGBLCD1.13
SPI_NSS: P1.12 R1.2 RGBLCD1.9 | length 29.6
  Top Layer w0.203: P1.12 33.068,-0.962 33.068,-0.242 33.983,0.673 33.983,2.045 32.459,3.569 32.459,14.846 36.475,18.863 RGBLCD1.9 38.456,18.863 39.469,19.876 41.714,19.876 42.092,19.498 42.119,19.498 42.517,19.099 R1.2
SPI_SCK: P1.29 RGBLCD1.11 | length 23.3
  Top Layer w0.203: P1.29 30.666,3.544 30.666,14.882 35.623,19.839 37.446,19.839 RGBLCD1.11
UART1_RX: P1.5 P4.3 R15.2 | length 69.2
  Top Layer w0.203: v1(14.323,6.312) 14.323,7.074 15.695,8.446 R15.2 ; P1.5 15.337,-1.447 15.834,-1.447 16.762,-2.375 54.1,-2.375 54.709,-1.765 54.709,0.216 57.3,2.807 60.501,2.807 60.946,2.361 60.946,1.488 P4.3
  Bottom Layer w0.203: v1(14.323,6.312) 14.323,6.007 16.124,4.207 16.124,0.923 15.125,-0.075 15.125,-1.125 P1.5
UART1_TX: P1.4 P4.2 R16.2 | length 73.6
  Top Layer w0.203: P1.4 14.182,-2.832 54.557,-2.832 55.319,-2.07 55.319,-0.089 56.233,0.826 58.215,0.826 59.129,-0.089 61.872,-0.089 62.235,0.274 62.235,1.23 P4.2 ; v1(14.476,5.142) 14.933,5.599 14.933,6.769 18.133,9.97 R16.2
  Bottom Layer w0.203: P1.4 13.684,-0.026 13.684,4.351 v1(14.476,5.142)
UART5_RX: P1.18 P3.3 | length 31.6
  Top Layer w0.203: P1.18 46.937,-0.027 46.937,1.892 48.461,3.416 71.931,3.416 72.83,2.517 P3.3
UART5_TX: P1.24 P3.2 | length 31.5
  Top Layer w0.203: P1.24 48.216,4.026 72.693,4.026 74.064,2.654 74.064,1.355 P3.2
pads on no net: ?.0 ?.1 ?.2 ?.3 ?.4 ?.5 ?.6 ?.7 ?.8 K1.0 K2.0 K3.0 P1.6 P1.8 P1.13 P1.14 P1.16 P1.19 P1.20 P1.22 P1.23 P1.25 P1.26 P1.27 P1.33 P1.34 P1.35 P1.37 P2.2 P2.8 P2.14 P2.27 P2.31 P2.33 P2.34 P2.35 P3.0 P3.1 P4.0 P4.1 P5.0 P5.1 P6.0 P6.1 RGBLCD1.1 RGBLCD1.2 RGBLCD1.3 RGBLCD1.4 RGBLCD1.8 RGBLCD1.A RGBLCD1.B U2.6 U3.5 U5.0

## Polygon pours and split planes (outlines as drawn)
GND on Bottom Layer "GND_L02_P001" (hatched 45Degree grid 0.508 track 0.203, remove dead copper, pour order 1): -3.4,46.6 -3.4,51.455 -2.255,52.6 80.745,52.6 81.6,51.745 81.6,-2.545 80.745,-3.4 -2.255,-3.4 -3.4,-2.255 -3.4,2.6 -2.4,3.6 0,3.6 0,45.6 -2.4,45.6
GND on Top Layer "GND_L01_P000" (hatched 45Degree grid 0.508 track 0.203, remove dead copper, pour order 0): -3.4,51.455 -2.255,52.6 80.745,52.6 81.6,51.745 81.6,-2.545 80.745,-3.4 -2.255,-3.4 -3.4,-2.255 -3.4,2.6 -2.4,3.6 0,3.6 0,45.6 -2.4,45.6 -3.4,46.6

## Keep-outs
Keep-Out Layer:
  the board outline again, w0.254

## Silkscreen, mask and mechanical layers (free items; w line width, h text height)
Top Overlay:
  text "CAN" at 58.865,45.292 h2
  text "IIC" at 71.705,45.192 h2
  text "P2" at 3.785,44.79 h2
  text "KEY3" at 75.145,40.062 h1
  text "KEY2" at 75.165,31.8 h1
  text "KEY1" at 75.055,23.67 h1
  text "ART-PI" at 49.085,18.53 h4
  text "Mate" at 61.304,18.047 h4
  text "Powered by Z liangtao" at 52.497,16.304 h2
  text "EXT" at 75.215,8.31 h2 r90
  text "P1" at 4.405,3.12 h2
  text "UART5" at 70.565,2.924 h2
  text "UART1" at 58.885,2.834 h2
Bottom Overlay:
  text "ART-PI" at 53.03,23.862 h5
  text "Mate" at 37.785,23.327 h5

## Dimensions
-3.4,-0.4 to 81.6,-0.4 on Top Overlay
78.6,52.6 to 78.6,-3.4 on Top Overlay

## Text inside footprints (layer, text, board x,y; h text height)
RGBLCD1: Top Overlay "1" at 38.968,14.761 h0.76 r90; Top Overlay "40" at 39.069,33.76 h0.76 r90
U1: Top Overlay "E01-ML01SP4" at 62.701,33.652 h0.9; Top Overlay "VDD" at 58.176,37.652 h0.8; Top Overlay "GND" at 68.933,38.534 h0.65; Top Overlay "CE" at 58.256,36.392 h0.8; Top Overlay "CSN" at 58.256,35.142 h0.8; Top Overlay "SCK" at 58.276,33.822 h0.8; Top Overlay "MOSI" at 58.296,32.542 h0.8; Top Overlay "MISO" at 58.346,31.242 h0.8; Top Overlay "IRQ" at 58.326,29.932 h0.8; Top Overlay "GND" at 58.176,28.752 h0.8; Top Overlay "GND" at 68.806,27.993 h0.65
U2: Top Overlay "CC2530" at 20.848,27.8 h2.54 r90